# Altium PCB PCBA.PcbDoc (part 1 of 2) (continued)
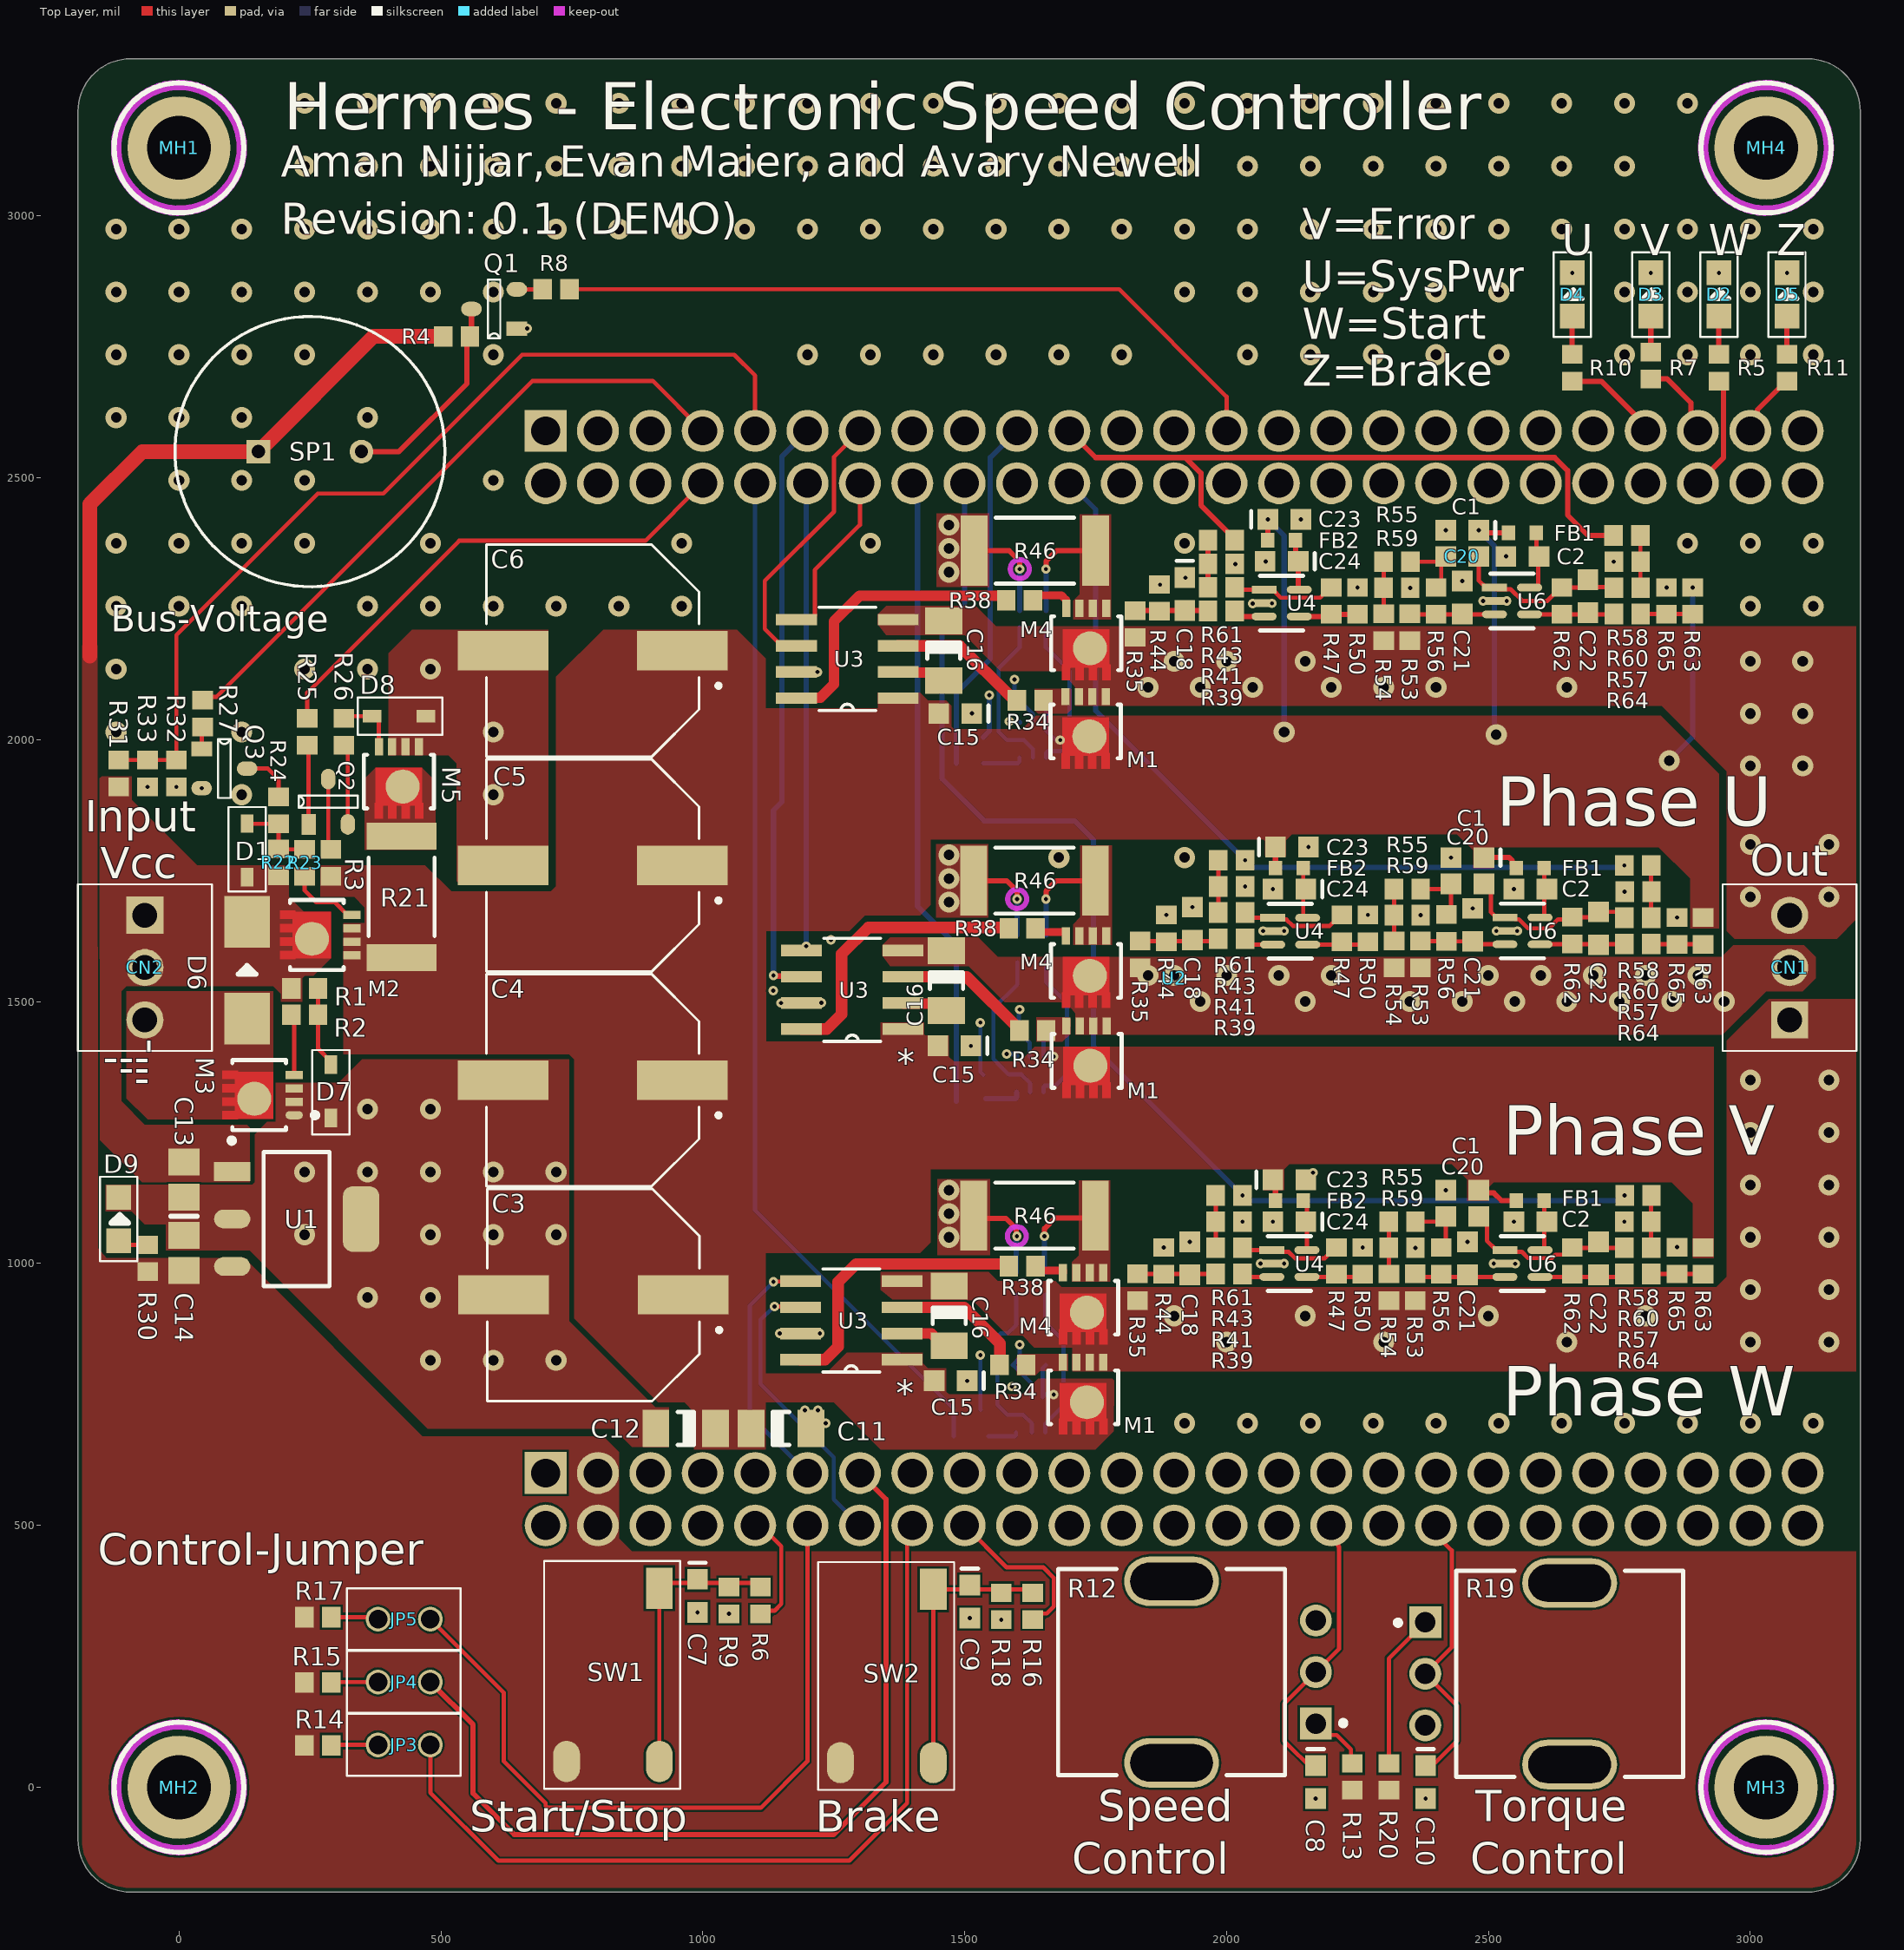
[diagram p0: Top Layer view]
## Design rules (kind name [scope] priority, off if disabled: settings)
BoardOutlineClearance [All] p1: gap=7.87 ignorepadtopadclearanceinfootprint=FALSE
Clearance [All] p1: gap=4 ignorepadtopadclearanceinfootprint=FALSE except(5: Arc-Via Track-Via SMDPad-Via THPad-Via Via-Via Via-Fill Via-Poly Via-Region Via-Text; 9.84: Arc-Hole Track-Hole SMDPad-Hole THPad-Hole Via-Hole Fill-Hole Poly-Hole Region-Hole Text-Hole)
ComponentClearance [All] p1: gap=4 collisioncheckmode=3 verticalgap=4 showdistances=TRUE
DiffPairsRouting [All] p1: maxlimit=4 minlimit=4 mostfreqgap=4 toplayer_minwidth=4 toplayer_maxwidth=71497.94 toplayer_prefwidth=4 midlayer1_minwidth=4 midlayer1_maxwidth=71497.94 midlayer1_prefwidth=4 midlayer2_minwidth=4 midlayer2_maxwidth=71497.94 midlayer2_prefwidth=4 bottomlayer_minwidth=4 bottomlayer_maxwidth=71497.94 bottomlayer_prefwidth=4 maxuncoupledlength=500
Height [All] p1: minheight=0 maxheight=71497.94 prefheight=500
HoleSize [All] p1: absolutevalues=TRUE maxlimit=248.03 minlimit=7.87 maxpercent=80.000 minpercent=20.000
HoleToHoleClearance [All] p1: gap=9.84 allowstackedmicrovias=FALSE
MinimumAnnularRing [All] p1: minimumring=3
MinimumSolderMaskSliver [All] p1: minsoldermaskwidth=0
PlaneClearance [All] p1: clearance=4
PlaneConnect PlaneConnectPowerPads [InPadClass('PowerPads')] p1: planeconnectstyle=Direct reliefexpansion=20 reliefentries=4 reliefconductorwidth=10 reliefairgap=10
PlaneConnect [All] p2: pad.planeconnectstyle=Relief pad.reliefexpansion=11.81 pad.reliefentries=4 pad.reliefconductorwidth=4 pad.reliefairgap=4 via.planeconnectstyle=Direct via.reliefexpansion=11.81 via.reliefentries=4 via.reliefconductorwidth=5 via.reliefairgap=5
PolygonConnect PolygonConnectPowerPads [All vs (InPadClass('PowerPads'))] p1: connectstyle=Direct reliefconductorwidth=10 reliefentries=4 polygonreliefangle="90 Angle" airgapwidth=10
PolygonConnect [All] p2: thpad.connectstyle=Relief thpad.reliefconductorwidth=4 thpad.reliefentries=4 thpad.polygonreliefangle="90 Angle" thpad.airgapwidth=4 smdpad.connectstyle=Relief smdpad.reliefconductorwidth=4 smdpad.reliefentries=4 smdpad.polygonreliefangle="90 Angle" smdpad.airgapwidth=4 via.connectstyle=Direct via.reliefconductorwidth=5 via.reliefentries=4 via.polygonreliefangle="90 Angle" via.airgapwidth=5
RoutingVias [All] p1: holewidth=7.87 width=17.72 viastyle="Through Hole" minholewidth=7.87 minwidth=17.72 maxholewidth=248.03 maxwidth=257.87
SilkToSilkClearance [All] p1: silktosilkclearance=0
SilkToSolderMaskClearance [IsPad] p1: minsilkscreentomaskgap=4 clearancetoexposedcopper=TRUE
SolderMaskExpansion [All] p1: expansion=2.95 istentingtop=FALSE
Width [All] p1: maxlimit=71497.94 minlimit=4 preferedwidth=4
20 further rules are at their usual default settings.

## Classes and differential pairs
component class Inverter-B: C1_Inverter-B C2_Inverter-B C15_Inverter-B C16_Inverter-B C17_Inverter-B C18_Inverter-B C19_Inverter-B C20_Inverter-B C21_Inverter-B C22_Inverter-B C23_Inverter-B C24_Inverter-B FB1_Inverter-B FB2_Inverter-B M1_Inverter-B M4_Inverter-B R34_Inverter-B R35_Inverter-B R38_Inverter-B R39_Inverter-B R41_Inverter-B R42_Inverter-B R43_Inverter-B R44_Inverter-B R45_Inverter-B R46_Inverter-B R47_Inverter-B R48_Inverter-B R49_Inverter-B R50_Inverter-B R53_Inverter-B R54_Inverter-B R55_Inverter-B R56_Inverter-B R57_Inverter-B R58_Inverter-B R59_Inverter-B R60_Inverter-B R61_Inverter-B R62_Inverter-B R63_Inverter-B R64_Inverter-B R65_Inverter-B U3_Inverter-B U4_Inverter-B U5_Inverter-B U6_Inverter-B
channel class Inverter: Inverter-A Inverter-B Inverter-C
net class CTRL[1..3]: CTRL1 CTRL2 CTRL3
component class Power: C3 C4 C5 C6 C11 C12 C13 C14 CN2 D1 D6 D7 D8 D9 M2 M3 M5 Q2 Q3 R1 R2 R3 R21 R22 R23 R24 R25 R26 R27 R30 U1
component class Inverter-C: C2 C18_Inverter-C C19_Inverter-C C20_Inverter-C C21_Inverter-C C22_Inverter-C C23_Inverter-C C24_Inverter-C FB1_Inverter-C FB2_Inverter-C M1_Inverter-C M4_Inverter-C R34_Inverter-C R35_Inverter-C R38_Inverter-C R39_Inverter-C R41_Inverter-C R42_Inverter-C R43_Inverter-C R44_Inverter-C R45_Inverter-C R46_Inverter-C R47_Inverter-C R48_Inverter-C R49_Inverter-C R50_Inverter-C R53_Inverter-C R54_Inverter-C R55_Inverter-C R56_Inverter-C R57_Inverter-C R58_Inverter-C R59_Inverter-C R60_Inverter-C R61_Inverter-C R62_Inverter-C R63_Inverter-C R64_Inverter-A R65_Inverter-C U3_Inverter-C U4_Inverter-C U5_Inverter-C U6_Inverter-C
component class Inverter-A: C1 C15 C18 C19_Inverter-B C21 M1_Inverter-B M4_Inverter-B R34_Inverter-B R38_Inverter-B R39 R42_Inverter-B R44 R45_Inverter-B R46_Inverter-B R48_Inverter-B R49_Inverter-B R50 R54 R55 R57 R58 R59 R62 R65 U3_Inverter-B U5_Inverter-B
component class InputsAndOutputSignals: C7 C8 C9 C10 D2 D3 D4 D5 JP3 JP4 JP5 Q1 R4 R5 R6 R7 R8 R9 R10 R11 R12 R13 R14 R15 R16 R17 R18 R19 R20 R31 R32 R33 SP1 SW1 SW2
component class Hermes: CN1 MH1 MH2 MH3 MH4 U2

## Components (designator, comment, footprint, x,y, rotation, side; value= is the part's Value field where it differs from the comment)
C1 "100nF" "CAP, 0603" 2450,2400 r180 top
C1 "100nF" "CAP, 0603" 2460,1775 r180 top
C1 "100nF" "CAP, 0603" 2450,1140 r180 top
C2 "10nF" "CAP, 0603" 2565,2350 r180 top
C2 "10nF" "CAP, 0603" 2580,1715 r180 top
C2 "10nF" "CAP, 0603" 2580,1080 r180 top
C3 "470pF" "Alum Capacitor" 796.26,935 r180 top
C4 "470pF" "Alum Capacitor" 795,1345 r180 top
C5 "470pF" "Alum Capacitor" 795,1755 r180 top
C6 "470pF" "Alum Capacitor" 795,2165 r180 top
C7 "220nF, 0603" "CAP, 0603" 990,365.59 r270 top
C8 "1µF, 0603" "CAP, 0603" 2170,10 r270 top
C9 "220nF, 0603" "CAP, 0603" 1510,354.45 r270 top
C10 "1µF, 0603" "CAP, 0603" 2380,10 r270 top
C11 "4.7µF" "Cap, 1206" 1139.59,690 r180 top
C12 "4.7µF" "Cap, 1206" 977.5,680.31 r0 top
C13 "220nF" "Cap, 0805" 9.68,1160 r90 top
C14 "100nF" "Cap, 0805" 9.68,1020 r270 top
C15 "100nF" "CAP, 0603" 1482.26,2050.12 r180 top
C15 "100nF" "CAP, 0603" 1480.25,1415.87 r180 top
C15 "100nF" "CAP, 0603" 1473.52,776.33 r180 top
C16 "470pF" "Cap, 1206" 1465,2180 r90 top
C16 "470pF" "Cap, 1206" 1470,1550 r90 top
C16 "470pF" "Cap, 1206" 1475,910 r90 top
C17 "100nF" "CAP, 0603" 1625.25,2085.87 r180 bottom
C17 "100nF" "CAP, 0603" 1620,1455 r180 bottom
C17 "100nF" "CAP, 0603" 1623.52,806.33 r180 bottom
C18 "Cap, 0603" "CAP, 0603" 1920.25,2278.35 r270 top
C18 "Cap, 0603" "CAP, 0603" 1935,1648.86 r270 top
C18 "Cap, 0603" "CAP, 0603" 1930,1010 r270 top
C19 "100nF" "CAP, 0603" 1630,2170 r0 bottom
C19 "100nF" "CAP, 0603" 1630.25,1530.87 r0 bottom
C19 "100nF" "CAP, 0603" 1628.52,881.33 r0 bottom
C20 "220nF" "CAP, 0603" 2450,2350 r0 top
C20 "220nF" "CAP, 0603" 2460,1725 r0 top
C20 "220nF" "CAP, 0603" 2450,1090 r0 top
C21 "100nF" "CAP, 0603" 2450,2271.5 r270 top
C21 "100nF" "CAP, 0603" 2470,1646.5 r270 top
C21 "100nF" "CAP, 0603" 2460,1010 r270 top
C22 "Cap, 0603" "CAP, 0603" 2690,2273.86 r90 top
C22 "Cap, 0603" "CAP, 0603" 2710,1640 r90 top
C22 "Cap, 0603" "CAP, 0603" 2710,1010 r90 top
C23 "100nF" "CAP, 0603" 2110.25,2420.87 r0 top
C23 "100nF" "CAP, 0603" 2125,1795 r0 top
C23 "100nF" "CAP, 0603" 2120,1160 r0 top
C24 "10nF" "CAP, 0603" 2105.25,2340.87 r180 top
C24 "10nF" "CAP, 0603" 2120,1715 r180 top
C24 "10nF" "CAP, 0603" 2120,1080 r180 top
CN1 "Conn, 3-Pin" "Conn, 3-Pin" 3075,1565 r90 top
CN2 "Conn, 3-Pin" "Conn, 3-Pin" -65,1565 r270 top locked
D1 "DZ2J110M0L" "Zener, 11V" 130,1788.82 r270 top
D2 "LED, 0805" "LED, 0805" 2940,2850 r90 top
D3 "LED, 0805" "LED, 0805" 2810,2850 r90 top
D4 "LED, 0805" "LED, 0805" 2660,2850 r90 top
D5 "LED, 0805" "LED, 0805" 3070,2850 r90 top
D6 "TVS Diode" "TVS Diode" 130,1540 r90 top
D7 "DZ2J110M0L" "Zener, 11V" 290,1328.82 r90 top
D8 "DZ2J110M0L" "Zener, 11V" 420,2045 r180 top
D9 "LED, 0805" "LED, 0805" -115,1085 r90 top
FB1 "Ferrite, 0603" "Ferrite, 0603" 2565,2395 r0 top
FB1 "Ferrite, 0603" "Ferrite, 0603" 2580,1755 r0 top
FB1 "Ferrite, 0603" "Ferrite, 0603" 2580,1120 r0 top
FB2 "Ferrite, 0603" "Ferrite, 0603" 2105.25,2380.87 r0 top
FB2 "Ferrite, 0603" "Ferrite, 0603" 2120,1755 r0 top
FB2 "Ferrite, 0603" "Ferrite, 0603" 2120,1120 r0 top
JP3 "0.1\" Pitch" "1x2, Header" 380,81.02 r0 top
JP4 "0.1\" Pitch" "1x2, Header" 380,201.02 r0 top
JP5 "0.1\" Pitch" "1x2, Header" 380,321.02 r0 top
M1 "PSMN6R1-25MLDX" FP-SOT1210-MFG#1 1731.04,2015.61 r180 top
M1 "PSMN6R1-25MLDX" FP-SOT1210-MFG#1 1732.77,1386.82 r180 top
M1 "PSMN6R1-25MLDX" FP-SOT1210-MFG#1 1726.31,744.6 r180 top
M2 "PSMN6R1-25MLDX" FP-SOT1210-MFG#1 263.27,1627.2 r90 top
M3 "PSMN6R1-25MLDX" FP-SOT1210-MFG#2 153.27,1321.61 r90 top
M4 "PSMN6R1-25MLDX" FP-SOT1210-MFG#1 1732.14,2184.14 r180 top
M4 "PSMN6R1-25MLDX" FP-SOT1210-MFG#1 1731.75,1558.59 r180 top
M4 "PSMN6R1-25MLDX" FP-SOT1210-MFG#1 1726.29,915.7 r180 top
M5 "PSMN6R1-25MLDX" FP-SOT1210-MFG#1 420,1920 r180 top
MH1 "Mount_Hole_3mm" Mount-Hole_3mm 0,3130 r0 top locked
MH2 "Mount_Hole_3mm" Mount-Hole_3mm 0,0 r0 top locked
MH3 "Mount_Hole_3mm" Mount-Hole_3mm 3030,0 r0 top locked
MH4 "Mount_Hole_3mm" Mount-Hole_3mm 3030,3130 r0 top locked
Q1 "2N3904" MMBT3904,215 645,2785 r180 top
Q2 "MMBT3904,215" SOT-23 247.6,1842.32 r90 top
Q3 "MMBT3904,215" SOT-23 47.32,1982.4 r0 top
R1 "10kΩ" "Res, 0603" 240,1525 r180 top
R2 "100Ω" "Res, 0603" 240,1475 r0 top
R3 "100kΩ" "Res, 0603" 290,1765 r270 top
R4 "1kΩ" "Res, 0603" 530,2770 r0 top
R5 "680Ω" "Res, 0603" 2940,2710 r270 top
R6 "330Ω" "Res, 0603" 1110,356.73 r270 top
R7 "680Ω" "Res, 0603" 2810,2714.41 r270 top
R8 "1kΩ" "Res, 0603" 720,2860 r180 top
R9 "220kΩ, 0603" "Res, 0603" 1050,356.73 r90 top
R10 "680Ω" "Res, 0603" 2660,2710 r270 top
R11 "680Ω" "Res, 0603" 3070,2710 r270 top
R12 "1kΩ Pot" "1k Pot" 1895,220 r90 top
R13 "220kΩ" "Res, 0603" 2240,20 r90 top
R14 "220kΩ, 0603" "Res, 0603" 265,80 r0 top
R15 "220kΩ, 0603" "Res, 0603" 265,200 r0 top
R16 "330Ω" "Res, 0603" 1630,345.59 r270 top
R17 "220kΩ, 0603" "Res, 0603" 265,325 r0 top
R18 "220kΩ, 0603" "Res, 0603" 1570,345.59 r90 top
R19 "1kΩ Pot" "1k Pot" 2655,216.77 r270 top
R20 "220kΩ" "Res, 0603" 2310,20 r90 top
R21 "10Ω" "Res, 2512" 425,1700 r270 top
R22 "10kΩ" "Res, 0603" 190,1765.59 r270 top
R23 "100Ω" "Res, 0603" 240,1765 r90 top
R24 "1kΩ" "Res, 0603" 190,1865 r270 top
R25 "100Ω" "Res, 0603" 245,2015 r90 top
R26 "100Ω" "Res, 0603" 315,2015 r270 top
R27 "100Ω" "Res, 0603" 45,2050 r90 top
R30 "680Ω" "Res, 0603" -59.68,1010 r270 top
R31 "20kΩ" "Res, 0603" -115,1935.59 r270 top
R32 "10kΩ" "Res, 0603" -5,1935.59 r90 top
R33 "10kΩ" "Res, 0603" -60,1935.59 r90 top
R34 "0Ω" "Res, 0603" 1625,2075 r0 top
R34 "0Ω" "Res, 0603" 1630,1445 r0 top
R34 "0Ω" "Res, 0603" 1592.02,806.33 r0 top
R35 "100kΩ" "Res, 0603" 1825.25,2220.87 r90 top
R35 "100kΩ" "Res, 0603" 1835,1590 r90 top
R35 "100kΩ" "Res, 0603" 1830,955 r90 top
R38 "0Ω" "Res, 0603" 1605,2266.06 r0 top
R38 "0Ω" "Res, 0603" 1610,1640 r0 top
R38 "0Ω" "Res, 0603" 1610,995 r0 top
R39 "0Ω" "Res, 0603" 1990.25,2245.87 r0 top
R39 "0Ω" "Res, 0603" 2010,1620 r0 top
R39 "0Ω" "Res, 0603" 2005,980 r0 top
R41 "0Ω" "Res, 0603" 1990.25,2290.87 r0 top
R41 "0Ω" "Res, 0603" 2010,1670 r0 top
R41 "0Ω" "Res, 0603" 2005,1030 r0 top
R42 "10Ω" "Res, 0603" 1655,2240.47 r90 bottom
R42 "10Ω" "Res, 0603" 1655.56,1600.87 r90 bottom
R42 "10Ω" "Res, 0603" 1653.52,966.33 r90 bottom
R43 "0Ω" "Res, 0603" 1990.25,2335.87 r180 top
R43 "0Ω" "Res, 0603" 2010,1720 r180 top
R43 "0Ω" "Res, 0603" 2005,1080 r180 top
R44 "100kΩ" "Res, 0603" 1871.89,2270.89 r90 top
R44 "100kΩ" "Res, 0603" 1885,1640 r90 top
R44 "100kΩ" "Res, 0603" 1880,1005 r90 top
R45 "0Ω" "Res, 0603" 1510,1955 r180 bottom
R45 "0Ω" "Res, 0603" 1510,1310 r180 bottom
R45 "0Ω" "Res, 0603" 1505,670.32 r180 bottom
R46 "2mΩ" "Res, 2512" 1634.11,2360.87 r0 top
R46 "2mΩ" "Res, 2512" 1633.51,1730.87 r0 top
R46 "2mΩ" "Res, 2512" 1633.52,1091.33 r0 top
R47 "0Ω" "Res, 0603" 2200,2265 r90 top
R47 "0Ω" "Res, 0603" 2220,1640 r90 top
R47 "0Ω" "Res, 0603" 2210,1005 r90 top
R48 "10Ω" "Res, 0603" 1605,2240.47 r90 bottom
R48 "10Ω" "Res, 0603" 1600.56,1600.87 r90 bottom
R48 "10Ω" "Res, 0603" 1598.52,966.33 r90 bottom
R49 "0Ω" "Res, 0603" 1510,2005 r180 bottom
R49 "0Ω" "Res, 0603" 1510,1360 r180 bottom
R49 "0Ω" "Res, 0603" 1505,720.32 r180 bottom
R50 "0Ω" "Res, 0603" 2250,2265 r270 top
R50 "0Ω" "Res, 0603" 2270,1640 r270 top
R50 "0Ω" "Res, 0603" 2260,1005 r270 top
R53 "100kΩ" "Res, 0603" 2350,2215 r90 top
R53 "100kΩ" "Res, 0603" 2370,1590 r90 top
R53 "100kΩ" "Res, 0603" 2360,955 r90 top
R54 "300kΩ" "Res, 0603" 2300,2215 r90 top
R54 "300kΩ" "Res, 0603" 2320,1590 r90 top
R54 "300kΩ" "Res, 0603" 2310,954.41 r90 top
R55 "7k5Ω" "Res, 0603" 2325.59,2340 r0 top
R55 "7k5Ω" "Res, 0603" 2345,1715 r0 top
R55 "7k5Ω" "Res, 0603" 2335,1080 r0 top
R56 "15kΩ" "Res, 0603" 2400,2265 r270 top
R56 "15kΩ" "Res, 0603" 2420,1640.59 r270 top
R56 "15kΩ" "Res, 0603" 2410,1005 r270 top
R57 "0Ω" "Res, 0603" 2765,2290 r180 top
R57 "0Ω" "Res, 0603" 2785,1660 r180 top
R57 "0Ω" "Res, 0603" 2785,1030 r180 top
R58 "0Ω" "Res, 0603" 2764.41,2390 r180 top
R58 "0Ω" "Res, 0603" 2785,1760 r180 top
R58 "0Ω" "Res, 0603" 2785.59,1130 r180 top
R59 "10kΩ" "Res, 0603" 2325,2290 r180 top
R59 "10kΩ" "Res, 0603" 2345,1665 r180 top
R59 "10kΩ" "Res, 0603" 2335,1030 r180 top
R60 "0Ω" "Res, 0603" 2765,2340 r0 top
R60 "0Ω" "Res, 0603" 2785.59,1710 r0 top
R60 "0Ω" "Res, 0603" 2785,1080 r0 top
R61 "0Ω" "Res, 0603" 1990.25,2380.87 r0 top
R61 "0Ω" "Res, 0603" 2010,1770 r0 top
R61 "0Ω" "Res, 0603" 2005,1130 r0 top
R62 "0Ω" "Res, 0603" 2640,2265 r90 top
R62 "0Ω" "Res, 0603" 2660,1635.59 r90 top
R62 "0Ω" "Res, 0603" 2660,1005 r90 top
R63 "100kΩ" "Res, 0603" 2890,2265 r270 top
R63 "100kΩ" "Res, 0603" 2910,1635 r270 top
R63 "100kΩ" "Res, 0603" 2910,1005 r270 top
R64 "0Ω" "Res, 0603" 2765,2240 r180 top
R64 "0Ω" "Res, 0603" 2785,1610 r180 top
R64 "0Ω" "Res, 0603" 2785,980 r180 top
R65 "100kΩ" "Res, 0603" 2840,2265 r90 top
R65 "100kΩ" "Res, 0603" 2860,1635 r90 top
R65 "100kΩ" "Res, 0603" 2860,1005.59 r90 top
SP1 "Piezo 3 - 30V" FP-PKM13EPYH4000-A0-MFG 250,2550 r0 top
SW1 "SPST-NO" 4-SPST-NO 917.17,372.13 r270 top
SW2 "SPST-NO" 4-SPST-NO 1440,370 r270 top
U1 "TI LM7805MP/NOPB" LM7805MP/NOPB 224.68,1085 r0 top
U2 "STM32F407G-DISC1" STM32F4 3190,235 r90 top locked
U3 "UCC27201AD" D8 1275.89,2154.38 r180 top
U3 "UCC27201AD" D8 1285.29,1522.5 r180 top
U3 "UCC27201AD" D8 1283.52,891.33 r180 top
U4 "Op-Amp" SOT-753 2105.25,2260.87 r0 top
U4 "Op-Amp" SOT-753 2121.5,1634.41 r0 top
U4 "Op-Amp" SOT-753 2120,1000 r0 top
U5 "ZXCT199B1DW-7" SOT-363 1630.25,1999.37 r270 bottom
U5 "ZXCT199B1DW-7" SOT-363 1625.25,1360.87 r270 bottom
U5 "ZXCT199B1DW-7" SOT-363 1623.52,711.33 r270 bottom
U6 "Op-Amp" SOT-753 2545,2265 r0 top
U6 "Op-Amp" SOT-753 2565,1635 r0 top
U6 "Op-Amp" SOT-753 2565,1000 r0 top

## Footprints (in the part's own frame and the unit in brackets; to place one, negate y for a bottom-side part, rotate by r counter-clockwise, add the part's x,y. Pads: shape width x height; smd on the part's side, far side on the other; paste and mask are expansions set on the pad)
"1k Pot" [mm]
  rect 1.55x1.55 hole 1 paste-1000 mask+0: 1(-2.5,-7)
  round 1.55 hole 1 paste-1000 mask+0: 2(0,-7) 3(2.5,-7)
  rrect100% 2.4x4.6 hole 4 slot 1.8 at 0 deg paste-1000 mask+0: 4(-4.4,0) 5(4.4,0)
  silkscreen extent -5,-8.45 5,5.5, body extent -5.8,-7.88 5.8,5.6, height 0.25
"1x2, Header" [mm]
  round 1.2 hole 0.9: 1(0,0) 2(2.54,0)
  silkscreen extent -1.5,-1.5 4,1.5
4-SPST-NO [mm]
  rect 2x1.3 smd: 1(-0.2,0)
  oval 2x1.3 smd: 2(8.2,0) 4(8.2,-4.5)
  silkscreen extent -1.52,-5.59 9.53,1.02, body extent -0.56,-5.29 8.44,0.71, height 5
"Alum Capacitor" [mm]
  rect 4.4x1.9 smd: 1(-4.223,-0.127) 2(4.477,-0.127)
  silkscreen extent -6.07,-5.28 5.28,5.02, body extent -5.5,-5.15 5.5,5.15, height 12.6
"CAP, 0603" [mm] "Chip Capacitor, Body 1.6x0.8mm (0603\"), IPC Medium Density"
  rect 1x1 smd: 1(-0.8,0) 2(0.8,0)
  silkscreen extent -1.6,-0.4 -1.6,0.4, body extent -0.8,-0.4 0.8,0.4, height 0.9
"Cap, 0805" [mm]
  rect 1.3x1.5 smd: 1(-0.85,0) 2(0.85,0)
  silkscreen extent -1.8,-0.65 -1.8,0.65, body extent -1,-0.62 1,0.63, height 1
"Cap, 1206" [mm]
  rect 1.3x1.8 smd: 1(-1.704,0.119) 2(1.196,0.119)
  silkscreen extent -0.65,-0.68 0.15,0.92, body extent -1.85,-0.68 1.35,0.92, height 1
"Conn, 3-Pin" [mm]
  rect 1.8x1.8 hole 1.2: 1(-2.54,0)
  round 1.8 hole 1.2: 2(0,0) 3(2.54,0)
  silkscreen extent -4.04,-3.25 4.04,3.25, body extent -4.04,-3.2 4.04,3.3, height 10.05
D8 [mil]
  rect 78x22 smd paste-39 mask-39: 1(-97,75) 2(-97,25) 3(-97,-25) 4(-97,-75) 5(97,-75) 6(97,-25) 7(97,25) 8(97,75)
  silkscreen extent -54,-98 54,98, body extent -122,-99 122,99, height 69
"Ferrite, 0603" [mm]
  rect 0.65x0.7 smd paste+0 mask+0: 1(-0.675,0) 2(0.675,0)
  body extent -1.1,-0.58 1.1,0.58, height 0.25
FP-PKM13EPYH4000-A0-MFG [mm]
  rect 1.15x1.15 hole 0.65 paste-1000 mask+0: 1(-2.5,0)
  round 1.15 hole 0.65 paste-1000 mask+0: 2(2.5,0)
  silkscreen extent -6.55,-6.55 6.55,6.55, body extent -6.65,-6.65 6.65,6.65, height 0.25
FP-SOT1210-MFG#1 [mm]
  rect 0.4x0.83 smd paste-1000 mask+0: 1(-0.975,-1.695) 2(-0.325,-1.695) 3(0.325,-1.695) 4(0.975,-1.695)
  round 1.652 smd paste-1000 mask+0: 5(-0.184,0.238)
  Top Layer region: 1.125,-0.68 -1.125,-0.68 -1.125,1.04 -1.175,1.04 -1.175,1.79 -0.775,1.79 -0.775,1.17 -0.525,1.17 -0.525,1.79 -0.125,1.79 -0.125,1.17 0.125,1.17 0.125,1.79 0.525,1.79 0.525,1.17 0.775,1.17 0.775,1.79 1.175,1.79 1.175,1.04 1.125,1.04 1.125,-0.68
  silkscreen extent -1.7,-1.3 1.7,1.3, body extent -1.95,-2.21 1.95,1.89, height 0.25
FP-SOT1210-MFG#2 [mm]
  oval 0.4x0.83 smd paste-1000 mask+0: 1(-0.975,-1.695)
  rect 0.4x0.83 smd paste-1000 mask+0: 2(-0.325,-1.695) 3(0.325,-1.695) 4(0.975,-1.695)
  round 1.652 smd paste-1000 mask+0: 5(-0.184,0.238)
  Top Layer region: 1.125,-0.68 -1.125,-0.68 -1.125,1.04 -1.175,1.04 -1.175,1.79 -0.775,1.79 -0.775,1.17 -0.525,1.17 -0.525,1.79 -0.125,1.79 -0.125,1.17 0.125,1.17 0.125,1.79 0.525,1.79 0.525,1.17 0.775,1.17 0.775,1.79 1.175,1.79 1.175,1.04 1.125,1.04 1.125,-0.68
  silkscreen extent -1.7,-2.83 1.7,1.3, body extent -1.95,-2.21 1.95,1.89, height 0.25
"LED, 0805" [mm]
  rect 1.2x1.2 smd: 1(1.05,0) 2(-1.05,0)
  silkscreen extent -2.05,-0.9 2.05,0.9
LM7805MP/NOPB [mm]
  rect 1.754x0.913 smd paste+0 mask+0: 1(-3.125,2.3)
  rrect100% 1.754x0.913 smd paste+0 mask+0: 2(-3.125,0) 3(-3.125,-2.3)
  rrect52% 1.754x3.172 smd paste+0 mask+0: 4(3.125,0)
  silkscreen extent -3.27,-3.25 1.6,3.92, body extent -4.25,-3.5 4.25,3.5, height 0.25
MMBT3904,215 [mm]
  rect 1x0.7 smd: 1(0,0)
  oval 1x0.7 smd: 2(0,-1.9) 3(2.2,-0.95)
  silkscreen extent 0.8,-2.38 1.4,0.48, body extent -0.25,-2.4 2.25,0.6, height 1.06
Mount-Hole_3mm [mm]
  round 5 hole 3.1: 1(0,0)
  Keep-Out Layer circle w0.508: c0,0 r3.048
  silkscreen extent -3.15,-3.15 3.15,3.15, body extent -2.25,-2.6 2.25,2.6, height 4.19
"Res, 0603" [mm] "Chip Resistor, 2-Leads, Body 1.60x0.80mm, IPC Medium Density"
  rect 0.9x1 smd: 1(-0.65,0) 2(0.65,0)
  body extent -0.9,-0.5 0.9,0.5, height 0.5
"Res, 2512" [mm]
  rect 1.3x3.4 smd: 1(-2.95,0) 2(2.95,0)
  silkscreen extent -1.9,-1.6 1.9,1.6, body extent -3.2,-1.6 3.2,1.6, height 0.6
SOT-23 [mm]
  rect 1x0.7 smd: 1(-0.1,0)
  oval 1x0.7 smd: 2(-0.1,-1.9) 3(2.1,-0.95)
  silkscreen extent 0.7,-2.38 1.3,0.48, body extent -0.25,-2.4 2.25,0.6, height 1.06
SOT-363 [mil]
  rect 47.65x14.65 smd paste+0 mask+0: 1(-33.5,25.59)
  rrect100% 47.65x14.65 smd paste+0 mask+0: 2(-33.5,0) 3(-33.5,-25.59) 4(33.5,-25.59) 5(33.5,0) 6(33.5,25.59)
  silkscreen extent -41,-52 41,52, body extent -41,-42 41,42, height 43
SOT-753 [mil]
  rect 47.65x14.65 smd paste+0 mask+0: 1(-33.5,25.59)
  rrect100% 47.65x14.65 smd paste+0 mask+0: 2(-33.5,0) 3(-33.5,-25.59) 4(33.5,-25.59) 5(33.5,25.59)
  silkscreen extent -41,-52 41,52, body extent -41,-42 41,42, height 43
STM32F4 [mil]
  rect 80x80 hole 55 paste-39370.1 mask+0: 1(2354.69,2490) 51(365,2490)
  round 80 hole 55 paste-39370.1 mask+0: 2(2254.68,2490) 3(2354.68,2390) 4(2254.68,2390) 5(2354.68,2290) 6(2254.68,2290) 7(2354.69,2190) 8(2254.68,2190) 9(2354.69,2090) 10(2254.68,2090) 11(2354.68,1990) 12(2254.68,1990) 13(2354.68,1890) 14(2254.68,1890) 15(2354.69,1790) 16(2254.68,1790) 17(2354.68,1690) 18(2254.68,1690) 19(2354.68,1590) 20(2254.68,1590) 21(2354.68,1490) 22(2254.68,1490) 23(2354.68,1390) 24(2254.68,1390) 25(2354.69,1290) 26(2254.68,1290) 27(2354.69,1190) 28(2254.68,1190) 29(2354.68,1090) 30(2254.68,1090) 31(2354.68,990) 32(2254.68,990) 33(2354.68,890) 34(2254.68,890) 35(2354.69,790) 36(2254.68,790) 37(2354.69,690) 38(2254.68,690) 39(2354.68,590) 40(2254.68,590) 41(2354.68,490) 42(2254.68,490) 43(2354.69,390) 44(2254.68,390) 45(2354.68,290) 46(2254.68,290) 47(2354.68,190) 48(2254.68,190) 49(2354.68,90) 50(2254.68,90) 52(265,2490) 53(365,2390) 54(265,2390) 55(365,2290) 56(265,2290) 57(365,2190) 58(265,2190) 59(365,2090) 60(265,2090) 61(365,1990) 62(265,1990) 63(365,1890) 64(265,1890) 65(365,1790) 66(265,1790) 67(365,1690) 68(265,1690) 69(365,1590) 70(265,1590) 71(365,1490) 72(265,1490) 73(365,1390) 74(265,1390) 75(365,1290) 76(265,1290) 77(365,1190) 78(265,1190) 79(365,1090) 80(265,1090) 81(365,990) 82(265,990) 83(365,890) 84(265,890) 85(365,790) 86(265,790) 87(365,690) 88(265,690) 89(365,590) 90(265,590) 91(365,490) 92(265,490) 93(365,390) 94(265,390) 95(365,290) 96(265,290) 97(365,190) 98(265,190) 99(365,90) 100(265,90)
  body extent 1,-156 2599,3882, height 156
"TVS Diode" [mm]
  rect 2.5x2.2 smd: 1(-1.842,0) 2(2.858,0)
  silkscreen extent 0.31,-0.43 0.73,0.43, body extent -2.24,-1.4 3.25,1.4, height 2.26
"Zener, 11V" [mm]
  rect 0.9x0.6 smd: A(-1.3,0) K(1.3,0)
  silkscreen extent -2.1,-0.9 2,0.9, body extent -1.4,-0.68 1.4,0.68, height 0.75

## Part data
C1 C1 C1 C2 C2 C2 C7 C8 C9 C10 C15 C15 C15 C17 C17 C17 C19 C19 C19 C20 C20 C20 C21 C21 C21 C23 C23 C23 C24 C24 C24: library part "Cap, 0603"
C3 C4 C5 C6: library part "Aluminum Cap"
C11 C12 C16 C16 C16: library part "Cap, 1206"
C13 C14: library part "Cap, 0805"
CN1 CN2: Supplier Part Number 1=A98334-ND, Supplier 1=Digi-Key
D1 D7 D8: library part "Zener, 11V"
D6: Supplier Part Number 1=SMBJ24CA-E3/52GICT-ND, Supplier 1=Digi-Key
FB1 FB1 FB1 FB2 FB2 FB2: Supplier Part Number 1=732-6703-1-ND, Supplier 1=Digi-Key
JP3 JP4 JP5: library part "1x2 Pins", Supplier Part Number 1=952-3073-ND, Supplier 1=Digi-Key
M1 M1 M1 M2 M3 M4 M4 M4 M5: library part InverterNmos, "PSMN6R1-25MLD/MLFPAK/REEL 7 Q"
MH1 MH2 MH3 MH4: library part CMP-004-0010-5, "Mounting hold for M3 hex standoff", Component Type=Standard, Design Item ID=Mount_Hole_3mm, Pin Count=1, Source=AUVic_Schematic_Library_Connectors.SchLib
Q1: library part CMP-2000-05562-1, "General Purpose Transistor, NPN Silicon, 200 mA, 60 V, -55 to 150 degC, 3-Pin TO-92, RoHS, Bulk", Collector- Base Voltage VCBO=60V, Collector- Emitter Voltage VCEO Max=40V, Collector-Emitter Saturation Voltage=0.3V, Emitter- Base Voltage VEBO=6V, Manufacturer=ONSemiconductor, Maximum DC Collector Current=0.2A, Maximum Operating Temperature=+150C, Maximum Power Dissipation=625mW, Minimum Operating Temperature=-65C, Package / Case=TO-92-3(TO-226), Package Description="3-Pin Transistor Outline, Body 4.825 x 3.685 mm, Pitch 1.27 mm", Package Reference=TO-92-3-29-11, Brand=ONSemiconductor, Configuration=Single, Datasheet URL=https://datasheet.ciiva.com/4725/2n3903-d-285841-4725808.pdf, Datasheet Version="Rev. 8, 08/2012", DC Collector/Base Gain hfe Min=60, Factory Pack Quantity=5000, Gain Bandwidth Product fT=270MHz, Manufacturer URL=http://www.onsemi.com/, Mounting Style=ThroughHole, Mounting Technology=ThroughHole, Packaging=Bulk, Product Category=BipolarTransistors-BJT, RoHS=Details, Transistor Polarity=NPN
Q2 Q3: library part CMP-052-0017-3, "NPN, 40V/200mA, 250mW, SOT-23", Component Type=Standard, DatasheetVersion=1997, Design Item ID=MMBT3904,215, LatestRevisionDate=09-Sep-2016, PackageReference=TO-92A, Pin Count=3, Published=8-Jun-2000, Publisher="Andy Bates", RoHS Compliant=Yes, Source=AUVic_Schematic_Library_Transistors.SchLib
R1 R2 R3 R4 R5 R6 R7 R8 R9 R10 R11 R13 R14 R15 R16 R17 R18 R20 R22 R23 R24 R25 R26 R27 R30 R31 R32 R33 R34 R34 R34 R35 R35 R35 R38 R38 R38 R39 R39 R39 R41 R41 R41 R42 R42 R42 R43 R43 R43 R44 R44 R44 R45 R45 R45 R47 R47 R47 R48 R48 R48 R49 R49 R49 R50 R50 R50 R53 R53 R53 R54 R54 R54 R55 R55 R55 R56 R56 R56 R57 R57 R57 R58 R58 R58 R59 R59 R59 R60 R60 R60 R61 R61 R61 R62 R62 R62 R63 R63 R63 R64 R64 R64 R65 R65 R65: library part "Res, 0603"
R12 R19: Supplier Part Number 1=PTV09A-4225F-B102-ND, Supplier 1=Digi-Key
R21 R46 R46 R46: library part "Res, 2512"
SP1: library part PS1240P02BT, "Audio Buzzer Piezo 30Vo-p 3Vo-p 70dBA Through Hole Pin Ammo", Frequency=4kHz, Manufacturer=TDK, Max Operating Temperature=70°C, Min Operating Temperature=-10°C, Operating Supply Voltage=3V, Package Quantity=2500, Supplier Part Number 1=445-2525-1-ND, Category="Audio Products", ComponentLink1Description=https://datasheet.ciiva.com/0/ef532-ps-112.pdf?src-supplier=Digi-Key, ComponentLink1URL=https://datasheet.ciiva.com/0/ef532-ps-112.pdf?src-supplier=Digi-Key, ComponentLink2Description=https://datasheet.ciiva.com/0/ef532-ps-111.pdf?src-supplier=Digi-Key, ComponentLink2URL=https://datasheet.ciiva.com/0/ef532-ps-111.pdf?src-supplier=Digi-Key, ComponentLink3Description=https://datasheet.ciiva.com/3306/ef532-ps-3306958.pdf?src-supplier=Avnet, ComponentLink3URL=https://datasheet.ciiva.com/3306/ef532-ps-3306958.pdf?src-supplier=Avnet, ComponentLink4Description=https://datasheet.ciiva.com/16225/ef532-ps-16225062.pdf?src-supplier=Onlinecomponents.com, ComponentLink4URL=https://datasheet.ciiva.com/16225/ef532-ps-16225062.pdf?src-supplier=Onlinecomponents.com, Diameter=12.2mm, Height=6.5mm, Lead Free="Lead Free", Manufacturer Part Number=PS1240P02BT, Mounting Technology="Through Hole", Packaging="Tape and Reel", Pins=2, Pricing="1=0.3736, 10=0.3379, 25=0.3346, 100=0.3094, 250=0.309, 500=0.2875, 1000=0.2797, 3000=0.266, 6000=0.26 (USD)", RoHS=Yes, RoHS Compliant=Yes, Series=PS, Stock=8080, Supplier="Arrow Electronics", Supplier 1=Digi-Key, Supplier Part Number=PS1240P02BT, Termination="PC Pins", Voltage Rating (DC)=3V
SW1 SW2: library part Switch, "SPST-NO Switch"
U1: library part LM7805MP/NOPB, Supplier Part Number 1=497-1572-1-ND, Supplier 1=Digi-Key
U2: Supplier Part Number 1=497-16287-ND, Supplier 1=Digi-Key
U3 U3 U3: "Half bridge Mosfet driver", Mfr_Name="Texas Instruments", RefDes=RefDes, Supplier 1=Digi-Key, Type=Type
U4 U4 U4 U6 U6 U6: library part TLV271CW5-7, "For back-emf measurement", Supplier Part Number 1=TLV271CW5-7DICT-ND, Supplier 1=Digi-Key
U5 U5 U5: "for half-bridge Current monitor", Supplier Part Number 1=31-ZXCT199B1DW-7CT-ND, Supplier 1=DigiKey

## Via types
v1: diameter 40, hole 20, Top Layer to Bottom Layer, tented both sides, 248 vias
v2: diameter 18, hole 8, Top Layer to Bottom Layer, tented both sides, 104 vias

## Nets (pads, with @x,y where several pads share a name; then routed paths per layer and width w, separated by ;. In a path a pad name is that pad's centre, name@x,y a point inside that pad or via, vN(x,y) a via of type N, cw(c..) or ccw(c..) an arc to the next point about the centre after c; other vN are vias at no path point)
5V: C14.2 R4.1 R13.1 R14.1 R15.1 R17.1 R20.1 R30.2 SP1.1 SW1.4 SW2.4 U1.3 U2.53 U2.54 | length 1102
  Top Layer w12: U2.53@800,600 U2.53@800,605
  Top Layer w28: -170,2160 -170,2450 -70,2550 SP1.1@151.57,2550 371.57,2770 R4.1@504.41,2770
Back-EMF-A: R58.2@2760,1130 R61.2@2030.59,1130 U2.18 | length 2454.1
  Bottom Layer w10: U2.18@1500,2489.68 1500,2260 1456.85,2216.85 1456.85,1925.47 1537.32,1845 1710,1845 1745.56,1809.44 1745.56,1415.03 v2(2030.59,1130) 2040.59,1120 2750,1120 v2(2760,1130)
Back-EMF-B: R58.2@2759.41,1760 R61.2@2035.59,1770 U2.22 | length 1590
  Bottom Layer w10: U2.22@1700,2489.68 1750,2439.69 1750,2055.59 v2(2035.59,1770) 2037.76,1770 2051.76,1756 2753.24,1756 2757.24,1760 v2(2759.41,1760)
Back-EMF-C: R58.2@2738.82,2390 R61.2@2015.84,2380.87 U2.21 | length 1368.9
  Top Layer w10: U2.21@1700,2589.68 1700,2588.68 1750,2538.68 1921.32,2538.68 ; R61.2@2015.84,2380.87 2015.84,2382.84 1951,2447.68 1951,2509 1921.32,2538.68 ; R58.2@2738.82,2390 2690,2390 2651,2429 2651,2514 2626.32,2538.68 1921.32,2538.68
"Buzz on": R8.1 U2.27 | length 1404.6
  Top Layer w8: R8.1@745.59,2860 1795,2860 2000,2655 U2.27@2000,2589.69
CTRL1: JP3.2 U2.66 | length 1634.6
  Top Layer w8: JP3.2@480,81.02 480,-10 610,-140 1280,-140 1390,-30 1390,490 U2.66@1400,500
CTRL2: JP4.2 U2.63 | length 1719.4
  Top Layer w10: JP4.2@480,201.02 561.52,119.5 561.52,-11.52 640,-90 1250,-90 1350,10 1350,550 U2.63@1300,600
CTRL3: JP5.2 U2.62 | length 1435.9
  Top Layer w8: JP5.2@480,321.02 620,181.02 620,50 700,-30 700,-35.31 703.76,-39.07 1110.93,-39.07 1200,50 U2.62@1200,500
Direct-Method_Inverter-A: R57.1@2810.59,1030 R58.1@2811.18,1130 R60.2@2810.59,1080 | length 100.2
  Top Layer w8: R57.1@2810.59,1030 2810.59,1129.41 R58.1@2811.18,1130
Direct-Method_Inverter-B: R57.1@2810.59,1660 R58.1@2810.59,1760 R60.2@2811.18,1710 | length 100
  Top Layer w8: R57.1@2810.59,1660 R58.1@2810.59,1760
Direct-Method_Inverter-C: R57.1@2790.59,2290 R58.1@2790,2390 R60.2@2790.59,2340 | length 100.2
  Top Layer w8: R58.1@2790,2390 2790,2290.59 R57.1@2790.59,2290
Dissipative-Break: R25.2 U2.8 | length 970
  Top Layer w8: R25.2@245,2040.59 245,2090 535,2380 890.32,2380 U2.8@1000,2489.68
Ebreak-En: R16.2 U2.68 | length 316.8
  Top Layer w8: U2.68@1500,500 1580,420 1650,420 1670,400 1670,345 1656.69,331.69 1641.69,331.69 R16.2@1630,320
GND: C1.2 C2.2 C3.2 C4.2 C5.2 C6.2 C7.2 C8.2 C9.2 C10.2 C11.1 C12.1 C13.1 C14.1 C15.1 C17.2 C18.1 C21.1 C23.2 C24.2 D2.1 D3.1 D4.1 D5.1 D7.A D8.A D9.1 M3.1 M3.2 M3.3 M5.1 M5.2 M5.3 Q1.1 Q3.2 R9.1 R12.3 R12.4 R12.5 R18.1 R19.3 R19.4 R19.5 R32.1 R33.1 R43.1 R44.2 R46.1 R48.2 R49.1 R50.1 R59.1 R60.1 R65.2 U1.2 U1.4 U2.1 U2.2 U2.5 U2.23 U2.49 U2.50 U2.51 U2.52 U2.99 U2.100 U3.7 U4.2 U5.1 U5.2 U6.2 | length 1199.6
  Top Layer w10: R46.1@1511.23,1086.33 1578.52,1086.33 1598.52,1066.33 v2@1598.52,1051.33 ; R46.1@1512.96,1730.87 1580.25,1730.87 1600.25,1710.87 v2(1600.25,1695.87) ; R46.1@1517.96,2360.87 1585.25,2360.87 1605.25,2340.87 v2(1605.25,2325.87)
  Bottom Layer w8: v2(1530,825) 1530,720.91 R49.1@1530.59,720.31 ; v2(1530,1460) 1530,1365.59 R49.1@1535.59,1360 ; v2(1595,2115) 1595,2087.12 C17.2@1593.75,2085.87 1630.25,2049.38 U5.2@1630.25,2032.87 ; v2(1605,845) 1605,819.31 C17.2@1592.02,806.33 1627.63,770.73 1627.63,745.72 U5.2@1628.52,744.83 ; v2(1605,1485) 1605,1482.84 1603.19,1481.02 1603.19,1451.43 1597.63,1445.87 1603.19,1440.31 1605.16,1440.31 1614.29,1431.19 1624.36,1421.11 1624.36,1395.26 U5.2@1625.25,1394.37
  Bottom Layer w10: R49.1@1535.59,2005 1547,2016.41 v2(1547,2085) ; v2(1580,1400) 1597.33,1400 1599.66,1397.67 U5.1@1599.66,1394.37 ; v2(1585,2035) 1602.53,2035 U5.1@1604.66,2032.87 ; R48.2@1598.52,982.4 v2@1598.52,1051.33 ; R48.2@1600.25,1626.93 v2(1600.25,1695.87) ; 1605.25,2246.93 1605.25,2315.87
  other v1: 1920,695 2040,695 2160,695 2280,695 2400,695 2520,695 2640,695 2760,695 2880,695 3000,695 3120,695 480,815 600,815 720,815 360,935 480,935 1470,1050 240,1055 480,1055 600,1055 720,1055 1470,1095 1470,1140 240,1175 360,1175 480,1175 600,1175 720,1175 360,1295 480,1295 1470,1690 1470,1735 1680,1775 1920,1775 1470,1780 120,1895 600,1895 -120,2015 120,2015 600,2015 -120,2135 240,2135 360,2135 480,2135 -120,2255 0,2255 120,2255 360,2255 480,2255 600,2255 720,2255 840,2255 960,2255 3000,2255 3120,2255 1470,2320 1470,2365 -120,2375 0,2375 120,2375 240,2375 480,2375 960,2375 1320,2375 1920,2375 2880,2375 3000,2375 3120,2375 1470,2410 0,2495 120,2495 240,2495 600,2495 -120,2615 0,2615 120,2615 360,2615 -120,2735 0,2735 120,2735 240,2735 600,2735 1200,2735 1320,2735 1440,2735 1560,2735 1680,2735 1800,2735 2040,2735 2160,2735 2280,2735 2400,2735 2520,2735 2760,2735 2880,2735 3000,2735 3120,2735 -120,2855 0,2855 120,2855 240,2855 360,2855 480,2855 600,2855 1920,2855 2040,2855 2160,2855 2280,2855 2400,2855 2520,2855 2760,2855 2880,2855 3000,2855 3120,2855 -120,2975 0,2975 120,2975 240,2975 360,2975 480,2975 600,2975 720,2975 840,2975 960,2975 1080,2975 1200,2975 1320,2975 1440,2975 1560,2975 1680,2975 1800,2975 1920,2975 2040,2975 2160,2975 2280,2975 2400,2975 2520,2975 2640,2975 2760,2975 2880,2975 3000,2975 3120,2975 240,3095 360,3095 480,3095 600,3095 720,3095 840,3095 960,3095 1080,3095 1200,3095 1320,3095 1440,3095 1560,3095 1680,3095 1800,3095 1920,3095 2040,3095 2160,3095 2280,3095 2400,3095 2520,3095 2640,3095 2760,3095 240,3215 360,3215 480,3215 600,3215 720,3215 840,3215 960,3215 1080,3215 1200,3215 1320,3215 1440,3215 1560,3215 1680,3215 1800,3215 1920,3215 2040,3215 2160,3215 2280,3215 2400,3215 2520,3215 2640,3215 2760,3215 2880,3215
  other v2: 2170,-21.5 2380,-21.5 1570,320 1510,322.95 1050,331.14 990,334.09 1235,695 1195,720 1220,720 1590,765 1505.03,775.83 1147.17,866.42 1223.52,866.33 2551.29,999.49 2065,1000 2110,1000 2510,1000 2360.59,1030 1880,1030.59 2260,1030.59 2860,1031.18 1930,1041.5 2460,1041.5 1599.65,1052.23 2030.59,1080 2088.5,1080 2548.5,1080 2759.41,1080 2418.5,1140 2164.93,1173.43 1511.76,1415.37 1149.68,1497.35 1226.6,1497.79 1134.61,1520.87 1244.92,1618.16 2070,1635 2110,1635 2515,1635 2555,1635 2860,1660.59 2370.59,1665 1885,1665.59 2270,1665.59 2470,1677.99 1935,1680.35 2760,1710 2088.5,1715 2548.5,1715 2035.59,1720 2428.5,1775 2156.5,1795 43.39,1907.6 -60,1910 -5,1910 1513.75,2050.12 1219.02,2129.36 2050,2260 2086.69,2260.28 2490,2265 2535,2265 2350.59,2290 2250,2290.59 2840,2290.59 1873.01,2295.89 2450,2302.99 1921.37,2309.26 2016.96,2335.28 2074.88,2340.28 2739.41,2340 2533.5,2350 2418.5,2400 2141.74,2420.87 665,2785 2660,2891.34 2810,2891.34 2940,2891.34 3070,2891.34
Indirect-Method-Ext_Inverter-A: R41.1@1979.41,1030 R43.2@1979.41,1080 R61.1@1979.41,1130 | length 100
  Top Layer w8: R41.1@1979.41,1030 R61.1@1979.41,1130
Indirect-Method-Ext_Inverter-B: R41.1@1984.41,1670 R43.2@1984.41,1720 R61.1@1984.41,1770 | length 100
  Top Layer w8: R41.1@1984.41,1670 R61.1@1984.41,1770
Indirect-Method-Ext_Inverter-C: R41.1@1964.66,2290.87 R43.2@1964.66,2335.87 R61.1@1964.66,2380.87 | length 90
  Top Layer w10: R41.1@1964.66,2290.87 R43.2@1964.66,2335.87 R61.1@1964.66,2380.87
Indirect-Method_Inverter-A: C18.2@1930,978.5 R35.2@1830,980.59 R39.1@1979.41,980 R44.1@1880,979.41 | length 149.7
  Top Layer w8: R35.2@1830,980.59 1830.59,980 R39.1@1979.41,980
Indirect-Method_Inverter-B: C18.2@1935,1617.36 R35.2@1835,1615.59 R39.1@1984.41,1620 R44.1@1885,1614.41 | length 151.2
  Top Layer w8: R35.2@1835,1615.59 1980,1615.59 R39.1@1984.41,1620
Indirect-Method_Inverter-C: C18.2@1920.25,2246.86 R35.2@1825.25,2246.46 R39.1@1964.66,2245.87 R44.1@1871.89,2245.3 | length 139.7
  Top Layer w10: R35.2@1825.25,2246.46 1871.89,2246.46 1920.25,2246.46 1964.07,2246.46 R39.1@1964.66,2245.87
LED-B: R10.2 U2.43 | length 185.3
  Top Layer w10: R10.2@2660,2684.41 2715.59,2684.41 2800,2600 U2.43@2800,2589.69
LED-G: R5.2 U2.46 | length 218.7
  Top Layer w10: U2.46@2900,2489.68 2949,2538.69 2949,2675.41 R5.2@2940,2684.41
LED-O: R11.2 U2.47 | length 124.9
  Top Layer w10: U2.47@3000,2589.68 3013.39,2603.08 3013.39,2629.77 3068.03,2684.41 R11.2@3070,2684.41
LED-R: R7.2 U2.45 | length 154.7
  Top Layer w10: R7.2@2810,2688.82 2841.18,2688.82 2886.61,2643.39 2886.61,2603.08 U2.45@2900,2589.68